# Altium PCB TinyHawk_PCB.PcbDoc (part 5 of 6)
Units mil, origin at the board's own origin, x right, y up, seen from the top; angles counter-clockwise.
Board outline 3399.79 x 3628.14 mil, 6 copper layers (Top Layer, Ground, Signal Layer 2, Signal Layer 1, Power, Bottom Layer), stack 58.153 mil thick; 370 components, 355 nets, 1615 pads, 674 vias.
Unrouted connection lines stored in the file: 1.
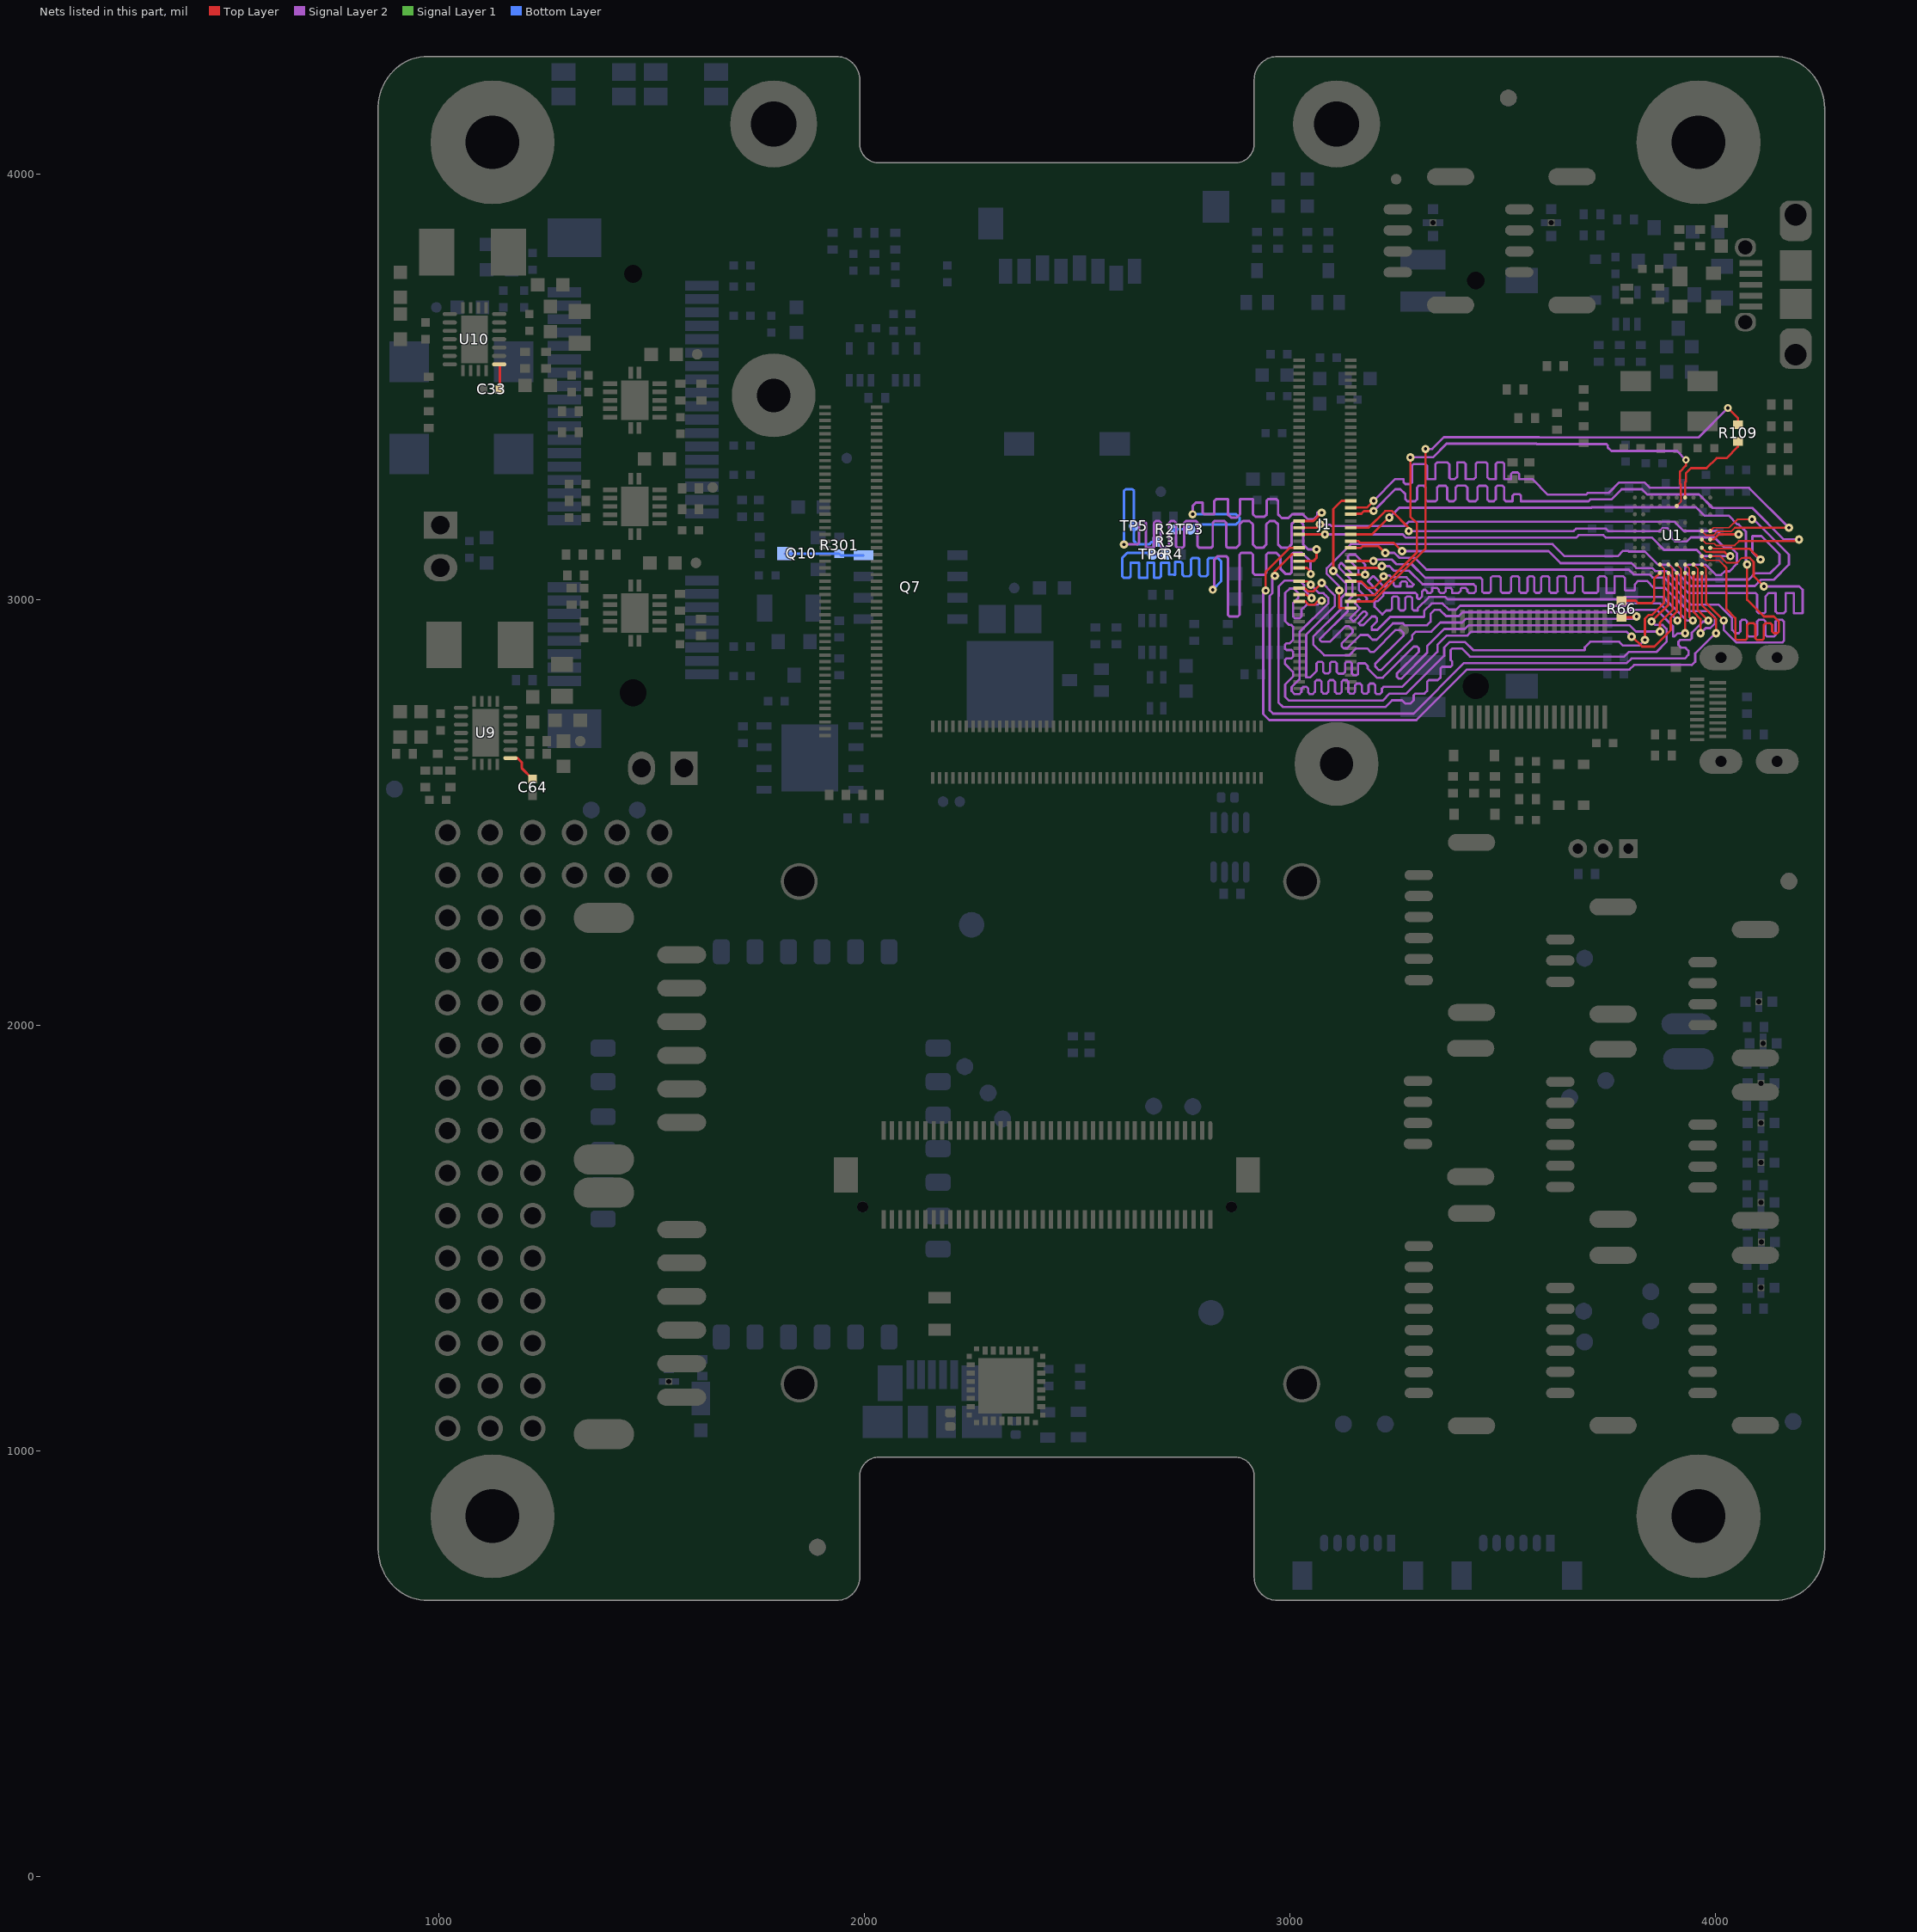
[diagram p9: the nets of this part, all layers, seen from the top]

## Via types
v1: diameter 19.68, hole 7.87, Top Layer to Bottom Layer, tented both sides, 619 vias
v2: diameter 17.72, hole 7.87, Top Layer to Bottom Layer, tented both sides, 36 vias
v3: diameter 50, hole 28, Top Layer to Bottom Layer, tented both sides, 13 vias
v4: diameter 19.68, hole 7.87, Top Layer to Bottom Layer, 3 vias
v5: diameter 25, hole 13, Top Layer to Bottom Layer, tented both sides, 3 vias

## Nets (pads, with @x,y where several pads share a name; then routed paths per layer and width w, separated by ;. In a path a pad name is that pad's centre, name@x,y a point inside that pad or via, vN(x,y) a via of type N, cw(c..) or ccw(c..) an arc to the next point about the centre after c; other vN are vias at no path point) (continued)
VID_IN_CSI0_D1: J1.50 R2.2 TP3.1 | length 943.2
  Top Layer w6: J1.50@3021.65,3185.04 3055.12,3185.04 v4(3074.8,3204.72)
  Signal Layer 2 w6: v1(2771.65,3200.79) 2771.65,3220.47 2779.48,3228.29 2795.28,3228.29 2795.28,3204.72 2799.21,3200.79 2822.83,3200.79 2822.83,3232.23 2826.77,3236.17 2854.33,3236.17 2854.33,3200.79 2862.2,3192.91 2875.35,3192.91 2883.22,3200.79 2883.22,3236.17 2913.39,3236.17 2913.39,3200.79 2919.29,3194.88 2940.25,3194.88 2946.16,3200.79 2946.16,3233.56 2948.77,3236.17 2968.56,3236.17 2972.44,3232.28 2972.44,3200.79 2980.98,3192.25 2996.73,3192.25 3005.27,3200.79 3030.75,3200.79 3042.65,3188.88 3055.78,3188.88 3065.06,3198.16 3065.06,3204.72 v4(3074.8,3204.72)
  Bottom Layer w6: R2.2@2730.32,3161.42 R2.2@2726.38,3165.35 TP3.1@2765.75,3165.35 2777.56,3177.17 2874.02,3177.17 2881.89,3185.04 2881.89,3192.91 2874.02,3200.79 v1(2771.65,3200.79)
VID_IN_CSI0_D2: J1.52 U1.F10 | length 1126.7
  Top Layer w5.4: J1.52@3021.65,3169.29 3062.99,3169.29 v1(3070.86,3177.16) ; U1.F10@3988.19,3141.73 3996.36,3141.73 4008.17,3153.54 v1(4055.12,3153.54)
  Signal Layer 2 w5.4: v1(3070.86,3177.16) 3071.4,3176.62 3094.49,3176.62 3097.88,3173.23 3269.36,3173.23 3279.43,3183.3 3904.33,3183.3 3925.98,3161.65 4004.15,3161.65 4012.26,3153.54 v1(4055.12,3153.54)
VID_IN_CSI0_D3: J1.54 U1.G9 | length 1107.1
  Top Layer w3.94: U1.G9@3968.5,3122.05 3978.35,3112.2 3994.09,3112.2
  Top Layer w5.4: J1.54@3029.53,3153.54 v1(3082.68,3153.54) ; 3994.09,3112.2 4021.89,3112.2 4031.74,3102.36 v1(4035.43,3102.36)
  Signal Layer 2 w5.4: v1(3082.68,3153.54) 3265.42,3153.54 3273.09,3145.87 3673.26,3145.87 3679.19,3151.8 3736.73,3151.8 3742.31,3146.22 3850.75,3146.22 3879.63,3117.33 3956.39,3117.33 3971.37,3102.36 v1(4035.43,3102.36)
VID_IN_CSI0_D4: J1.51 U1.G10 | length 1721
  Top Layer w3.94: U1.G10@3988.19,3122.05 3993.84,3122.05 3996.06,3119.83 4047.02,3119.83 ; 4080.96,3119.83 4081.18,3119.6
  Top Layer w5.4: J1.51@3142.91,3169.29 3185.04,3169.29 3224.2,3208.46 3240.36,3208.46 3279.53,3169.29 v1(3279.53,3161.42) ; 4047.02,3119.83 4080.96,3119.83 ; 4081.18,3119.6 v1(4106.3,3094.49)
  Signal Layer 2 w5.4: v1(3279.53,3161.42) 3667.31,3161.42 3672.89,3167 3743.02,3167 3748.61,3161.42 3869.17,3161.42 3875.85,3168.1 3887.91,3168.1 3896.44,3159.57 3896.44,3145.96 3905.39,3137.02 3933.36,3137.02 3942.79,3146.45 3997.85,3146.45 4021.5,3122.8 4036.48,3122.8 4041.38,3117.9 4041.86,3117.9 4050.97,3108.79 4050.97,3084.53 4033.24,3066.8 4022.43,3066.8 4013.9,3058.28 4001.84,3058.28 3977.44,3082.68 3937.01,3082.68 3929.13,3074.8 3929.13,3066.61 3948.3,3047.44 4078.74,3047.44 4093.54,3062.24 4129.17,3062.24 4150.98,3084.05 4150.98,3107.05 4108.43,3149.61 4087.31,3149.61 4087.31,3111.18 4106.3,3092.19 v1(4106.3,3094.49)
VID_IN_CSI0_D5: J1.53 U1.H9 | length 1732.4
  Top Layer w3.94: U1.H9@3968.5,3102.36 3978.35,3092.52 3996.06,3092.52 4008.71,3092.52 4020.81,3080.42
  Top Layer w5.4: J1.53@3142.91,3153.54 3192.91,3153.54 3232.28,3192.91 v1(3233.93,3192.91) ; 4020.81,3080.42 4026.43,3074.8 4026.43,2977.51 4047.24,2956.69 4047.24,2909.45 4051.18,2905.51 4070.87,2905.51 4074.8,2909.45 4074.8,2940.94 4078.74,2944.88 4090.55,2944.88 4094.49,2940.94 4094.49,2909.45 4098.43,2905.51 4110.24,2905.51 4114.17,2909.45 4114.17,2940.94 4118.11,2944.88 4129.92,2944.88 4133.86,2940.94 4133.86,2925.2 4137.8,2921.26 4145.67,2921.26 4149.61,2925.2 4149.61,2948.82 4137.8,2960.63 4114.17,2960.63 4074.8,3000 v1(4074.8,3082.68)
  Signal Layer 2 w5.4: v1(3233.93,3192.91) 3257.34,3216.33 3708.64,3216.33 3709.62,3217.31 3954.85,3217.31 3974.53,3197.63 4031.62,3197.63 4052.08,3177.17 4055.12,3177.17 4072.11,3160.17 4072.11,3085.37 v1(4074.8,3082.68)
VID_IN_CSI0_D6: J1.55 U1.H10 | length 1659.1
  Top Layer w3.94: U1.H10@3988.19,3102.36 4011.48,3102.36 4027.23,3086.61 4051.18,3086.61 4062.79,3098.22 4068.37,3098.22
  Top Layer w5.4: J1.55@3151.84,3137.8 3161.42,3137.8 3165.04,3134.17 3243.78,3134.17 v1(3263.78,3114.17) ; 4068.37,3098.22 4081.24,3098.22 4090.35,3089.12 4090.35,3055.32 v1(4114.17,3031.5)
  Signal Layer 2 w5.4: v1(3263.78,3114.17) 3607.94,3114.17 3636.28,3085.84 3803.13,3085.84 3814.48,3074.49 3851.97,3074.49 3858.98,3067.48 3885.28,3067.48 3937.01,3015.75 4094.49,3015.75 4098.43,3011.81 4098.43,2971.89 4102.36,2967.96 4114.17,2967.96 4118.11,2971.89 4118.11,3007.87 4125.98,3015.75 4141.73,3015.75 4141.73,2972.44 4145.67,2968.5 4161.42,2968.5 4165.35,2972.44 4165.35,3015.75 4185.04,3015.75 4185.04,2968.5 4204.72,2968.5 4205.27,2969.05 4205.27,3023.62 4197.4,3031.5 v1(4114.17,3031.5)
VID_IN_CSI0_D7: J1.57 U1.J9 | length 1664.4
  Top Layer w3.94: U1.J9@3968.5,3082.68 3978.35,3072.83 3978.35,3057.09
  Top Layer w5.4: J1.57@3142.91,3122.05 3167,3122.05 3170.72,3125.77 3208.87,3125.77 v1(3224.41,3110.24) ; 3978.35,3057.09 3978.35,2992.83 v1(4019.94,2951.23)
  Signal Layer 2 w5.4: v1(3224.41,3110.24) 3245.74,3110.24 3257.34,3098.63 3293.25,3098.63 3321.24,3070.64 3796.84,3070.64 3808.19,3059.29 3845.68,3059.29 3852.68,3052.28 3878.98,3052.28 3942.52,2988.74 4007.33,2988.74 4039.37,2956.69 4039.37,2929.13 4047.24,2921.26 4055.12,2921.26 4059.06,2925.2 4059.06,2948.82 4062.99,2952.76 4070.87,2952.76 4074.8,2948.82 4074.8,2917.32 4078.74,2913.39 4094.49,2913.39 4098.43,2917.32 4098.43,2948.82 4102.36,2952.76 4114.17,2952.76 4118.11,2948.82 4118.11,2917.32 4122.05,2913.39 4137.8,2913.39 4141.73,2917.32 4141.73,2948.82 4145.67,2952.76 4157.48,2952.76 4161.42,2948.82 4161.42,2903.34 4157.48,2899.4 4049.42,2899.4 4019.94,2928.88 v1(4019.94,2951.23)
VID_IN_CSI0_D8: J1.58 U1.K9 | length 1759.8
  Top Layer w5.4: v1(2943.36,3021.65) 2943.36,3065.29 3000.12,3122.05 J1.58@3021.65,3122.05 ; U1.K9@3968.5,3062.99 3968.5,2988.33 4001.78,2955.05 v1(4001.78,2921.26)
  Signal Layer 2 w5.4: v1(2943.36,3021.65) 2937.56,3015.85 2937.56,2731.74 2952.01,2717.29 3297.67,2717.29 3416.32,2835.94 3798.38,2835.94 3809.24,2846.8 3944.54,2846.8 3944.88,2846.46 3952.76,2854.33 3952.76,2874.03 3999.98,2921.26 v1(4001.78,2921.26)
VID_IN_CSI0_D9: J1.60 U1.J8 | length 1748.8
  Top Layer w3.94: U1.J8@3948.82,3082.68 3958.66,3072.83 3958.66,3057.09
  Top Layer w5.4: v1(2964.8,3056.06) 2964.8,3067.16 3003.94,3106.3 J1.60@3021.65,3106.3 ; 3958.66,3057.09 3958.66,2976.19 v1(3983.62,2951.23)
  Signal Layer 2 w5.4: v1@2972.98,3056.06 v1(2964.8,3056.06) 2958.9,3050.16 2958.9,3015.22 2952.76,3009.07 2952.76,2740.16 2960.43,2732.49 3290.79,2732.49 3409.45,2851.14 3792.09,2851.14 3802.94,2862 3928.59,2862 3937.01,2870.42 3937.01,2879.78 3929.34,2887.45 3919.64,2887.45 3913.39,2893.7 3913.39,2901.57 3917.32,2905.51 3917.32,2905.72 3940.94,2905.72 3944.68,2909.45 3944.68,2922.46 3970.83,2948.61 3981,2948.61 v1(3983.62,2951.23)
VID_IN_CSI0_D10: J1.62 R3.2 TP5.1 | length 1751.8
  Top Layer w6: J1.62@3021.65,3090.55 3055.12,3090.55 3062.99,3098.43 v1(3062.99,3118.11)
  Signal Layer 2 w6: v1(2610.24,3129.92) 2641.73,3129.92 2645.67,3133.86 2645.67,3181.1 2649.61,3185.04 2657.48,3185.04 2661.42,3181.1 2661.42,3122.05 2681.1,3122.05 2681.1,3181.1 2685.04,3185.04 2692.91,3185.04 2696.85,3181.1 2696.85,3125.98 2700.79,3122.05 2712.6,3122.05 2716.54,3125.98 2716.54,3181.1 2720.47,3185.04 2728.35,3185.04 2732.28,3181.1 2732.28,3125.98 2736.22,3122.05 2748.03,3122.05 2751.97,3125.98 2751.97,3181.1 2755.81,3184.94 2779.62,3184.94 2783.46,3181.1 2783.46,3125.98 2787.5,3121.95 2814.87,3121.95 2818.9,3125.98 2818.9,3181.1 2822.78,3184.99 2846.51,3184.99 2850.39,3181.1 2850.39,3125.98 2854.42,3121.95 2873.92,3121.95 2881.89,3129.92 2881.89,3177.11 2889.76,3184.99 2905.51,3184.99 2913.39,3177.11 2913.39,3129.83 2921.26,3121.95 2937.01,3121.95 2944.88,3129.83 2944.88,3177.17 2952.7,3184.99 2964.62,3184.99 2972.44,3177.17 2972.44,3129.83 2980.32,3121.95 2995.97,3121.95 3003.94,3129.92 3003.94,3177.11 3011.81,3184.99 3023.67,3184.99 3031.5,3177.17 3031.5,3129.83 3043.21,3118.11 v1(3062.99,3118.11)
  Bottom Layer w6: v1(2610.24,3129.92) 2610.24,3255.91 2614.17,3259.84 2629.92,3259.84 2633.86,3255.91 TP5.1@2633.86,3173.23 2633.86,3137.8 2641.73,3129.92 2669.29,3129.92 2675.2,3135.83 R3.2@2687.01,3135.83
VID_IN_CSI0_D11: J1.64 R4.2 TP6.1 | length 1679.9
  Top Layer w6: J1.64@3021.65,3074.8 3040.59,3074.8 v1@3055.12,3060.27
  Signal Layer 2 w6: v1(2818.89,3023.62) 2822.83,3027.56 2822.83,3062.99 2822.83,3094.49 2830.71,3102.36 2850.39,3102.36 2854.33,3098.43 2854.33,2964.57 2858.27,2960.63 2877.95,2960.63 2881.89,2964.57 2881.89,3106.3 2885.83,3110.24 2909.45,3110.24 2913.39,3106.3 2913.39,3062.99 2917.32,3059.06 2940.94,3059.06 2944.88,3062.99 2944.88,3106.3 2948.82,3110.24 2968.5,3110.24 2977.56,3101.18 2977.56,3073.39 2990.68,3060.27 3000,3060.27 3003.94,3064.21 3003.94,3106.3 3007.87,3110.24 3028.74,3110.24 3049.21,3089.77 v1(3049.21,3060.27)
  Bottom Layer w6: R4.2@2706.69,3106.3 TP6.1@2677.17,3106.3 2673.23,3110.24 2618.11,3110.24 2606.3,3098.43 2606.3,3055.12 2610.24,3051.18 2622.05,3051.18 2625.98,3055.12 2625.98,3086.61 2645.67,3086.61 2645.67,3051.18 2665.35,3051.18 2665.35,3086.61 2681.1,3086.61 2681.1,3051.18 2692.91,3051.18 2696.85,3055.12 2696.85,3086.61 2716.44,3086.61 2716.44,3059.15 2727.03,3059.15 2727.13,3059.06 2730.22,3059.06 2730.22,3088.49 2744.09,3088.49 2748.03,3084.55 2748.03,3059.06 2751.97,3055.12 2763.78,3055.12 2767.72,3059.06 2767.72,3094.49 2771.65,3098.43 2783.46,3098.43 2787.4,3094.49 2787.4,3059.06 2791.34,3055.12 2803.15,3055.12 2807.09,3059.06 2807.09,3094.49 2811.02,3098.43 2830.71,3098.43 2838.58,3090.55 2838.58,3043.31 v1(2818.89,3023.62) ; v1(3049.21,3060.27) v1@3049.21,3066.18
VID_IN_CSI0_D12: J1.61 U1.K8 | length 1719.7
  Top Layer w5.4: J1.61@3142.91,3090.55 3143.21,3090.84 v1(3196.56,3090.84) ; U1.K8@3948.82,3062.99 3948.82,2971.69 3965.46,2955.05 v1(3965.46,2921.26)
  Signal Layer 2 w5.4: v1(3196.56,3090.84) 3199.99,3094.28 3240.2,3094.28 3251.05,3083.43 3286.65,3083.43 3318.35,3051.73 3448.27,3051.73 3452.21,3047.79 3452.21,3019.68 3455.71,3016.19 3468.94,3016.19 3472.44,3019.68 3472.44,3051.18 3476.7,3055.44 3492.13,3055.44 3492.13,3055.12 3496.06,3051.18 3496.06,3019.68 3499.56,3016.19 3515.75,3016.19 3519.68,3020.12 3519.68,3051.18 3523.62,3055.12 3535.43,3055.12 3539.37,3051.18 3539.37,3020.12 3543.31,3016.19 3555.12,3016.19 3559.06,3020.12 3559.06,3051.18 3562.99,3055.12 3570.87,3055.12 3574.8,3051.18 3574.8,3019.68 3578.3,3016.19 3586.61,3016.19 3590.55,3020.12 3590.55,3051.18 3594.49,3055.12 3606.3,3055.12 3610.24,3051.18 3610.24,3020.12 3614.17,3016.19 3625.98,3016.19 3629.48,3019.68 ; 3629.37,3019.68 3629.37,3051.73 3633.08,3055.44 3645.67,3055.44 3649.61,3051.5 3649.61,3019.68 3653.11,3016.19 3665.79,3016.19 3669.29,3019.68 3669.29,3051.18 3673.55,3055.44 3684.72,3055.44 3688.98,3051.18 3688.98,3019.68 3692.48,3016.19 3720.91,3016.19 3724.41,3019.68 3724.41,3051.18 3728.35,3055.12 3740.16,3055.12 3744.09,3051.18 3744.09,3016.19 3763.78,3016.19 3763.78,3055.44 3783.15,3055.44 3787.4,3051.18 3787.4,3023.62 3789.25,3021.77 3809.17,3021.77 3811.02,3023.62 3811.02,3036.21 3818.9,3044.09 3839.38,3044.09 3855.91,3027.56 3882.2,3027.56 3936.23,2973.54 3983.3,2973.54 3999.16,2957.67 3999.16,2944.8 3987.78,2933.41 3977.61,2933.41 v1(3965.46,2921.26)
VID_IN_CSI0_D13: J1.63 U1.J7 | length 1730.4
  Top Layer w3.94: U1.J7@3929.13,3082.68 3938.98,3072.83
  Top Layer w3.97: 3938.98,3057.09 3938.98,3072.83
  Top Layer w5.4: J1.63@3142.91,3074.8 3212.6,3074.8 v1(3216.53,3078.73) ; 3938.98,3057.09 3938.98,2959.55 v1(3947.3,2951.23)
  Signal Layer 2 w5.4: v1(3216.53,3078.73) 3234.25,3078.73 3244.75,3068.23 3280.35,3068.23 3312.05,3036.53 3431.97,3036.53 3437.01,3031.5 3437.01,3019.68 3433.07,3015.75 3421.26,3015.75 3417.32,3019.68 3417.32,3023.62 3413.39,3027.56 3403.77,3027.56 3401.57,3025.37 3401.57,3020.56 3396.77,3015.75 3381.89,3015.75 3381.89,3023.62 3377.95,3027.56 3366.14,3027.56 3366.14,3019.68 3362.2,3015.75 3354.33,3015.75 3350.39,3019.68 3350.39,3023.62 3346.46,3027.56 3334.65,3027.56 3334.65,3019.68 3330.71,3015.75 3322.83,3015.75 3322.83,3019.68 3318.9,3023.62 3314.96,3023.62 3311.02,3019.68 3311.02,3007.87 3305.12,3001.97 3301.18,3001.97 3299.21,3003.94 3299.21,3011.81 3294.73,3016.3 3219.92,3016.3 3219.92,3009.45 3207.08,2996.61 3199.21,2996.61 3199.21,2983.7 3217.44,2965.47 3226.7,2974.73 3236.22,2974.73 3240.16,2978.67 3240.16,3003.94 3244.09,3007.87 3251.97,3007.87 3255.91,3003.94 3255.91,2978.67 3259.84,2974.73 3267.72,2974.73 3271.65,2978.67 3271.65,3003.94 3275.59,3007.87 3283.46,3007.87 3287.4,3003.94 3287.4,2978.67 3291.34,2974.73 3300.51,2974.73 3300.51,2979.66 3327.43,3006.57 3365.49,3006.57 3371.07,3000.99 3781.11,3000.99 3786.69,3006.57 3877.61,3006.57 3932.95,2951.23 v1(3947.3,2951.23)
VID_IN_CSI0_D14: J1.65 U1.K7 | length 1655.5
  Top Layer w5.4: J1.65@3142.91,3059.06 v1(3177.17,3059.06) ; v1(3929.13,2921.26) 3929.13,2940.94 U1.K7@3929.13,3062.99
  Signal Layer 2 w5.4: v1(3177.17,3059.06) 3177.17,3082.68 3153.54,3106.3 3140.63,3106.3 3136.7,3102.36 3136.7,3095.59 3161.42,3070.87 3161.42,3062.99 3157.48,3059.06 3148.51,3059.06 3120.95,3086.61 3115.63,3081.29 3115.63,3076.26 3146.97,3044.92 3146.97,3007.87 3136.15,2997.06 3136.15,2972.6 3070.32,2906.76 3070.32,2906.06 3074.91,2901.47 3094.59,2901.47 3131.19,2938.07 3138.86,2938.07 3147.8,2929.13 3147.8,2923.39 3122.05,2897.64 3122.05,2890.31 3126.53,2885.83 3134.95,2885.83 3166.24,2917.11 3183.6,2917.11 3194.65,2906.06 3204.18,2906.06 3242.46,2944.33 3266.14,2944.33 3270.29,2940.19 3322.83,2940.19 3330.91,2948.27 3330.91,2967.07 3340.02,2976.17 3352.89,2976.17 3367.45,2961.62 3397.64,2961.62 3406.61,2970.59 3796.1,2970.59 3801.69,2976.17 3862.57,2976.17 3900.81,2937.92 3900.81,2913.39 3903.5,2913.39 3911.03,2920.92 3928.79,2920.92 v1(3929.13,2921.26)
VID_IN_CSI0_D15: J1.67 U1.J6 | length 1655.8
  Top Layer w3.94: U1.J6@3909.45,3082.68 3919.29,3072.83 3919.29,3057.09
  Top Layer w5.4: J1.67@3142.91,3043.31 3167.91,3043.31 3183.66,3027.56 3196.85,3027.56 3220.47,3051.17 v1(3220.47,3055.11) ; v1(3910.97,2951.23) 3919.29,2959.55 3919.29,3057.09
  Signal Layer 2 w5.4: v1(3220.47,3055.11) 3222.51,3057.16 3234.32,3057.16 3238.45,3053.03 3274.06,3053.03 3291.5,3035.59 3287.4,3031.5 3275.59,3031.5 3275.59,3039.37 3271.65,3043.31 3263.78,3043.31 3259.84,3039.37 3259.84,3031.5 3248.03,3031.5 3244.09,3035.43 3244.09,3039.37 3240.16,3043.31 3232.28,3043.31 3228.35,3039.37 3228.35,3031.5 3220.47,3031.5 3196.86,3055.11 3195.2,3055.11 3183.6,3043.51 3204.72,3022.39 3204.72,3015.75 3200.79,3011.81 3196.85,3011.81 3169.29,3039.37 3162.17,3039.37 3162.17,3022.87 3181.1,3003.94 3181.1,3000 3177.17,2996.06 3167.68,2996.06 3162.17,3001.58 3153.54,2992.95 3153.54,2992.13 3165.35,2980.32 3141.74,2956.69 3149.61,2948.82 3173.23,2972.44 3177.17,2972.44 3181.1,2968.5 3181.1,2964.57 3161.42,2944.88 3165.73,2940.57 3172.85,2940.57 3192.91,2960.63 3200.79,2960.63 3204.72,2956.69 3204.72,2948.82 3192.99,2937.09 3192.99,2929.21 3205.84,2929.21 3236.16,2959.53 3314.62,2959.53 3315.71,2960.63 3315.71,2973.36 3333.72,2991.37 3359.19,2991.37 3373.75,2976.82 3391.34,2976.82 3400.31,2985.79 3787.4,2985.79 3792.99,2991.37 3870.35,2991.37 3910.49,2951.23 v1(3910.97,2951.23)
VID_IN_CSI0_D16: J1.68 U1.K6 | length 1743.2
  Top Layer w5.4: J1.68@3021.65,3043.31 3041.34,3043.31 v1(3049.21,3035.43) ; v1(3803.15,2913.39) 3804.79,2913.39 3828.21,2889.97 3856.83,2889.97 3895.43,2928.57 3895.43,2957.67 3909.45,2971.69 U1.K6@3909.45,3062.99
  Signal Layer 2 w5.4: v1(3049.21,3035.43) 3069.11,3015.54 3078.95,3015.54 3085.48,3009 3090.55,3003.94 3090.34,3003.73 3090.34,2991.27 3022.87,2923.8 3022.87,2825.17 3023.07,2824.96 3023.07,2824.53 3022.87,2824.33 3022.87,2813.25 3004.29,2794.68 3004.29,2785.6 3011.81,2778.09 3022.18,2778.09 3027.56,2783.46 3027.56,2791.34 3031.5,2795.28 3039.37,2795.28 3043.31,2791.34 3043.31,2782.02 3047.24,2778.09 3053.68,2778.09 3059.06,2783.46 3059.06,2807.09 3062.99,2811.02 3070.87,2811.02 3074.8,2807.09 3074.8,2783.46 3078.74,2779.53 3086.61,2779.53 3090.55,2783.46 3090.55,2807.09 3094.49,2811.02 3102.36,2811.02 3106.3,2807.09 3106.3,2783.46 3110.24,2779.53 3118.11,2779.53 3122.05,2783.46 3122.05,2807.09 3125.98,2811.02 3133.86,2811.02 3137.8,2807.09 3137.8,2783.46 3141.73,2779.53 3149.61,2779.53 3153.54,2783.46 3153.54,2799.21 3157.48,2803.15 3165.35,2803.15 3169.29,2799.21 3169.29,2783.46 3173.23,2779.53 3181.1,2779.53 3185.04,2783.46 3185.04,2799.21 3188.98,2803.15 3196.85,2803.15 3200.79,2799.21 3200.79,2782.02 3204.72,2778.09 3211.82,2778.09 3216.54,2782.8 3216.54,2791.34 3220.47,2795.28 3264.33,2795.28 3346.98,2877.93 3346.98,2893.7 3369.3,2916.02 3417.66,2916.02 3426.63,2924.99 3791.55,2924.99 v1(3803.15,2913.39)
VID_IN_CSI0_D17: J1.70 U1.J5 | length 1760.7
  Top Layer w3.94: U1.J5@3889.76,3082.68 3899.61,3072.83 3899.61,3057.09
  Top Layer w5.4: J1.70@3021.65,3027.56 3035.11,3027.56 3042.78,3019.89 3055.65,3019.89 3074.8,3039.04 v1(3074.8,3039.36) ; v1(3870.07,2925.19) 3870.07,2946.66 3899.61,2976.19 3899.61,3057.09
  Signal Layer 2 w5.4: 3066.95,2854.31 3074.83,2854.31 3078.74,2850.39 3078.74,2830.71 3082.68,2826.77 3090.55,2826.77 3094.49,2830.71 3094.49,2850.39 3098.43,2854.31 3106.32,2854.31 3110.24,2850.39 3110.24,2830.71 3114.72,2826.22 3125.98,2826.22 3129.92,2830.16 3129.92,2850.37 3133.86,2854.31 3141.73,2854.31 3145.65,2850.39 3145.67,2826.77 3149.61,2822.83 3157.48,2822.83 3160.05,2825.4 3160.05,2849.03 3161.42,2850.39 3177.17,2850.39 3183.12,2844.44 3183.12,2838.38 3204.72,2816.77 3218.35,2816.77 3291.34,2889.76 3299.21,2889.76 3303.15,2885.83 3303.15,2877.95 3251.97,2826.77 3251.97,2818.9 3255.91,2814.96 3262.52,2814.96 3322.83,2875.28 3322.83,2891.05 3363,2931.22 3411.36,2931.22 3420.33,2940.19 3798.33,2940.19 3813.32,2925.19 v1(3870.07,2925.19) ; 3066.93,2854.33 3062.99,2850.39 3062.99,2832.52 3048.31,2817.83 3038.79,2817.83 3038.79,2918.23 3105.75,2985.19 3105.75,3010.23 3100.68,3015.3 3076.62,3039.36 v1(3074.8,3039.36)
VID_IN_CSI0_D18: J1.72 U1.K5 | length 1670.4
  Top Layer w5.4: J1.72@3021.65,3011.81 3038.97,3011.81 3046.85,3003.94 v1(3051.18,3003.94) ; v1@3854.7,2953.27 3889.76,2988.33 U1.K5@3889.76,3062.99
  Signal Layer 2 w5.4: v1(3051.18,3003.94) 3051.18,3005.75 3033.67,3023.26 3033.67,3034.72 3023.62,3044.77 2987.38,3044.77 2974.1,3031.5 2974.1,3008.92 2973.43,3008.25 2973.43,2758.85 2984.6,2747.69 3224.41,2747.69 3240.29,2763.57 3263.99,2763.57 3271.65,2755.91 3283.46,2755.91 3291.34,2763.78 3291.34,2775.59 3295.28,2779.53 3316.34,2779.53 3322.83,2786.02 3322.83,2807.09 3326.77,2811.02 3347.83,2811.02 3354.33,2817.52 3354.33,2838.58 3358.27,2842.52 3377.95,2842.52 3381.89,2846.46 3381.89,2854.33 3377.95,2858.27 3377.95,2881.68 3381.89,2885.62 3404.07,2885.62 3423.34,2866.34 3785.79,2866.34 3796.65,2877.2 3861.45,2877.2 3885.61,2901.36 3885.61,2931.63 3876.51,2940.73 3858.48,2940.73 v1(3850.39,2948.82)